# Altium PCB communicationboard.PcbDoc
Units mm, origin at the board's own origin, x right, y up, seen from the top; angles counter-clockwise.
Board outline 60 x 60 mm, 4 copper layers (Top Layer, GND, VDD, Bottom Layer), stack 1.57 mm thick; 77 components, 55 nets, 327 pads, 220 vias.
Unrouted connection lines stored in the file: 24.
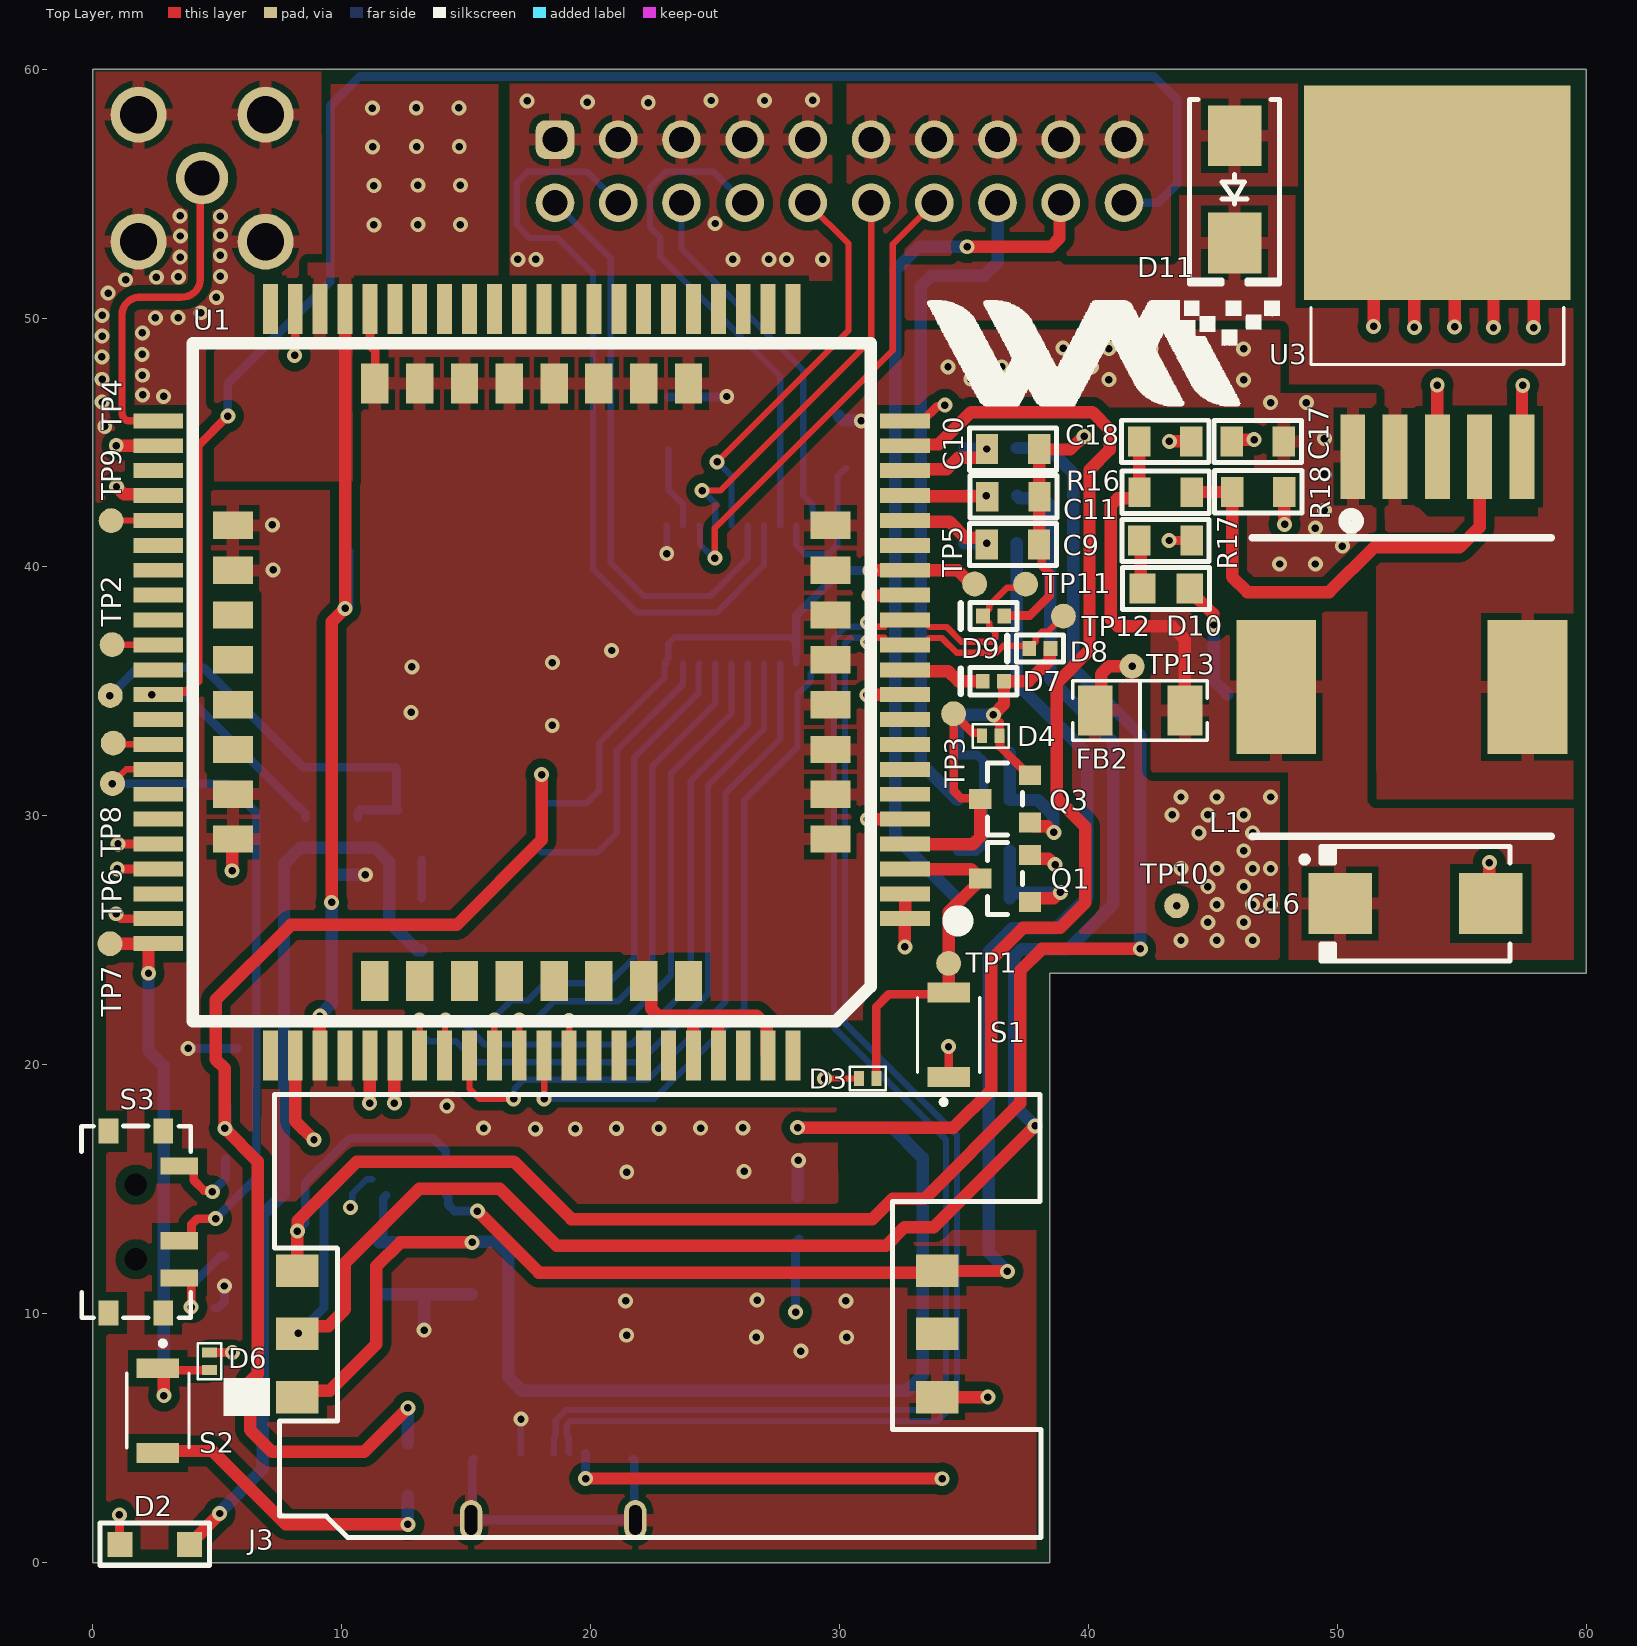
[diagram p0: Top Layer view]
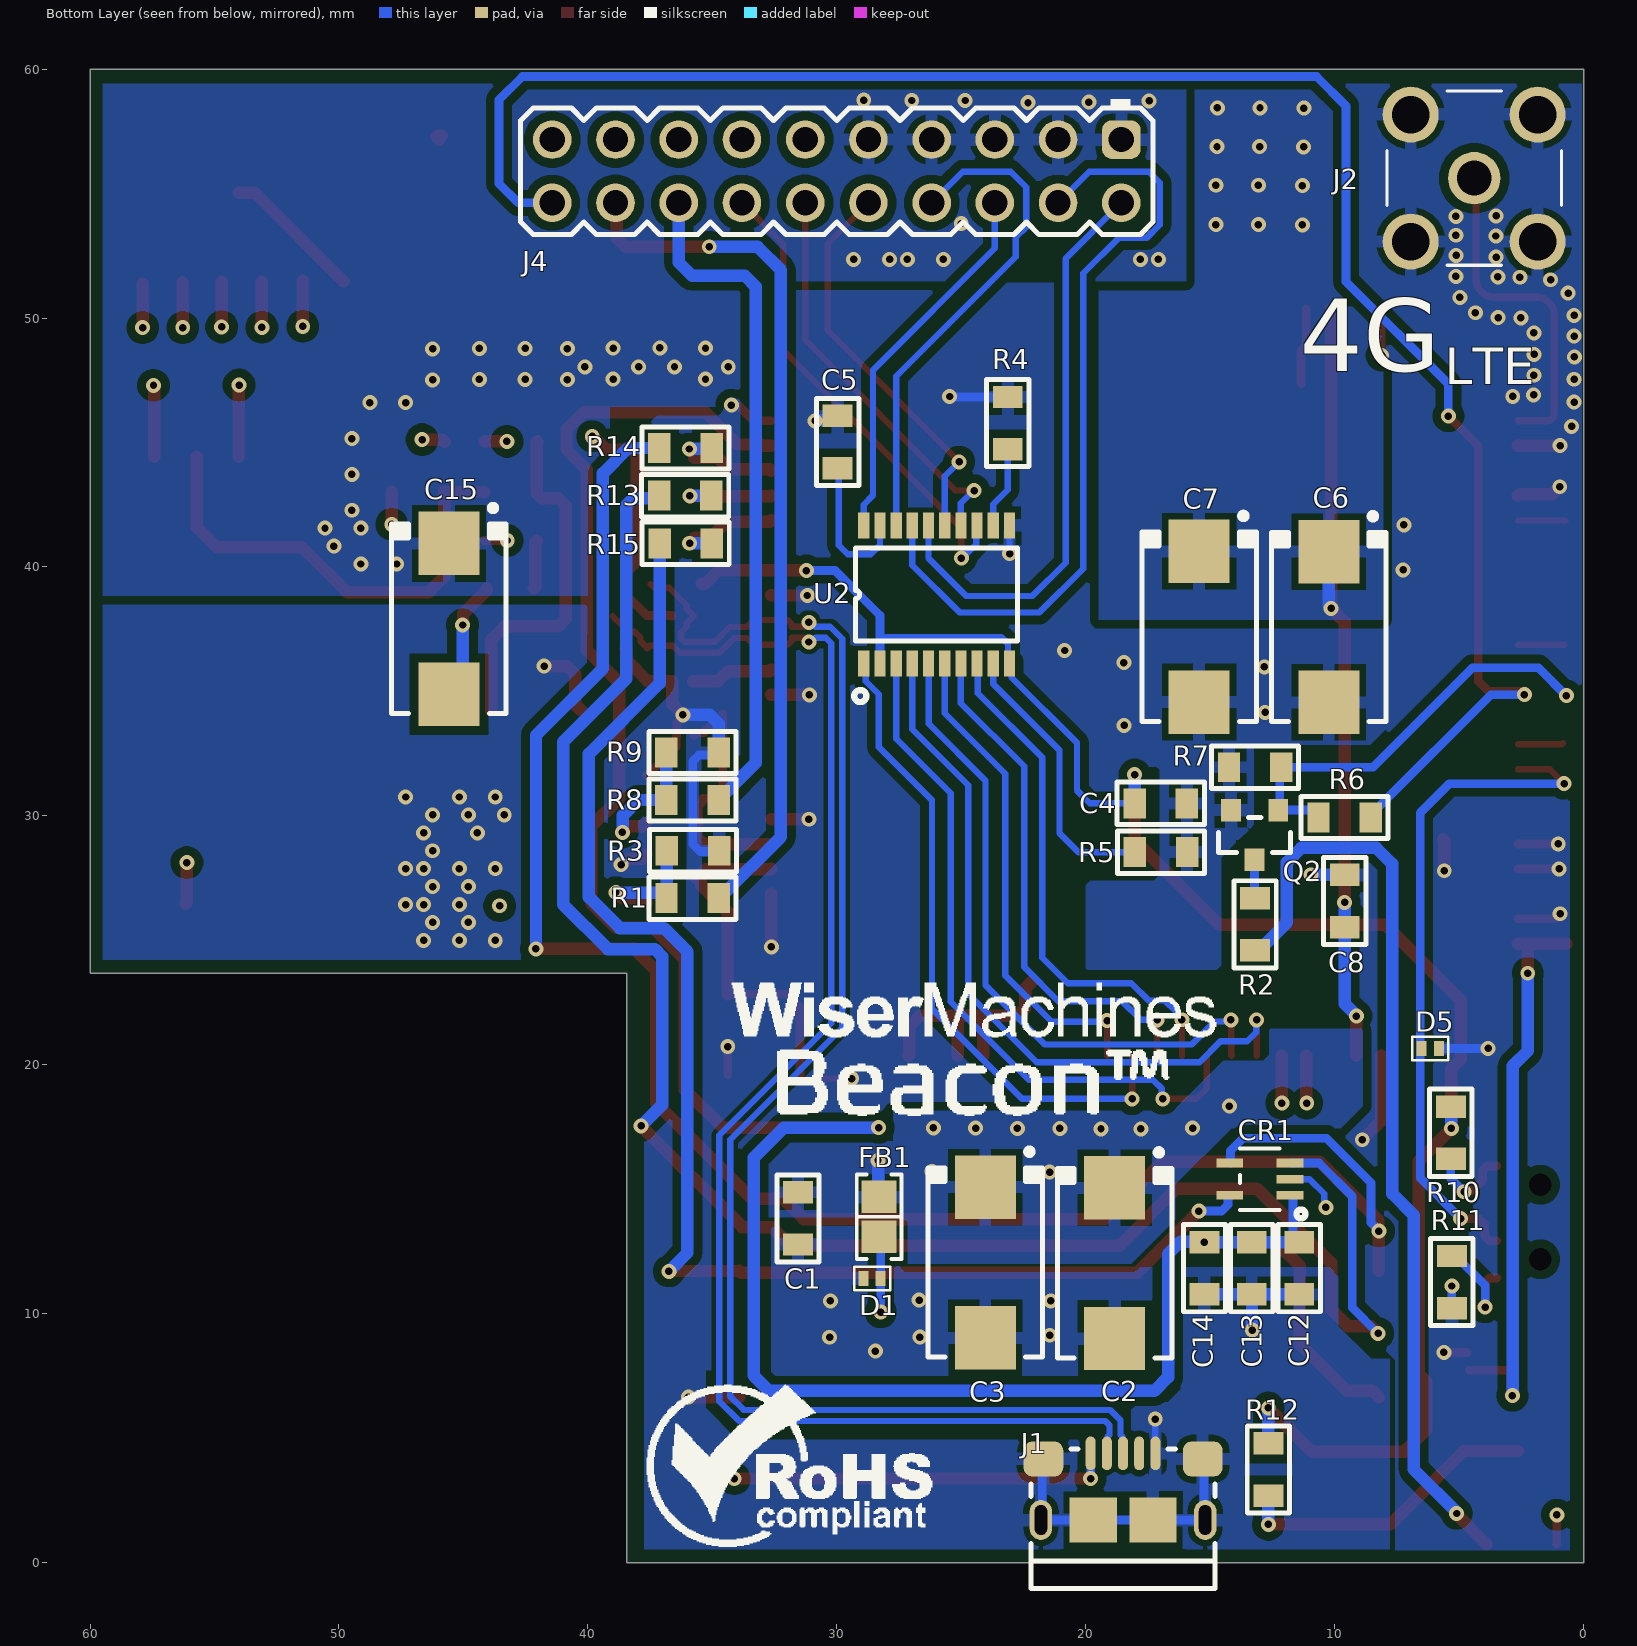
[diagram p1: Bottom Layer view, seen from below]
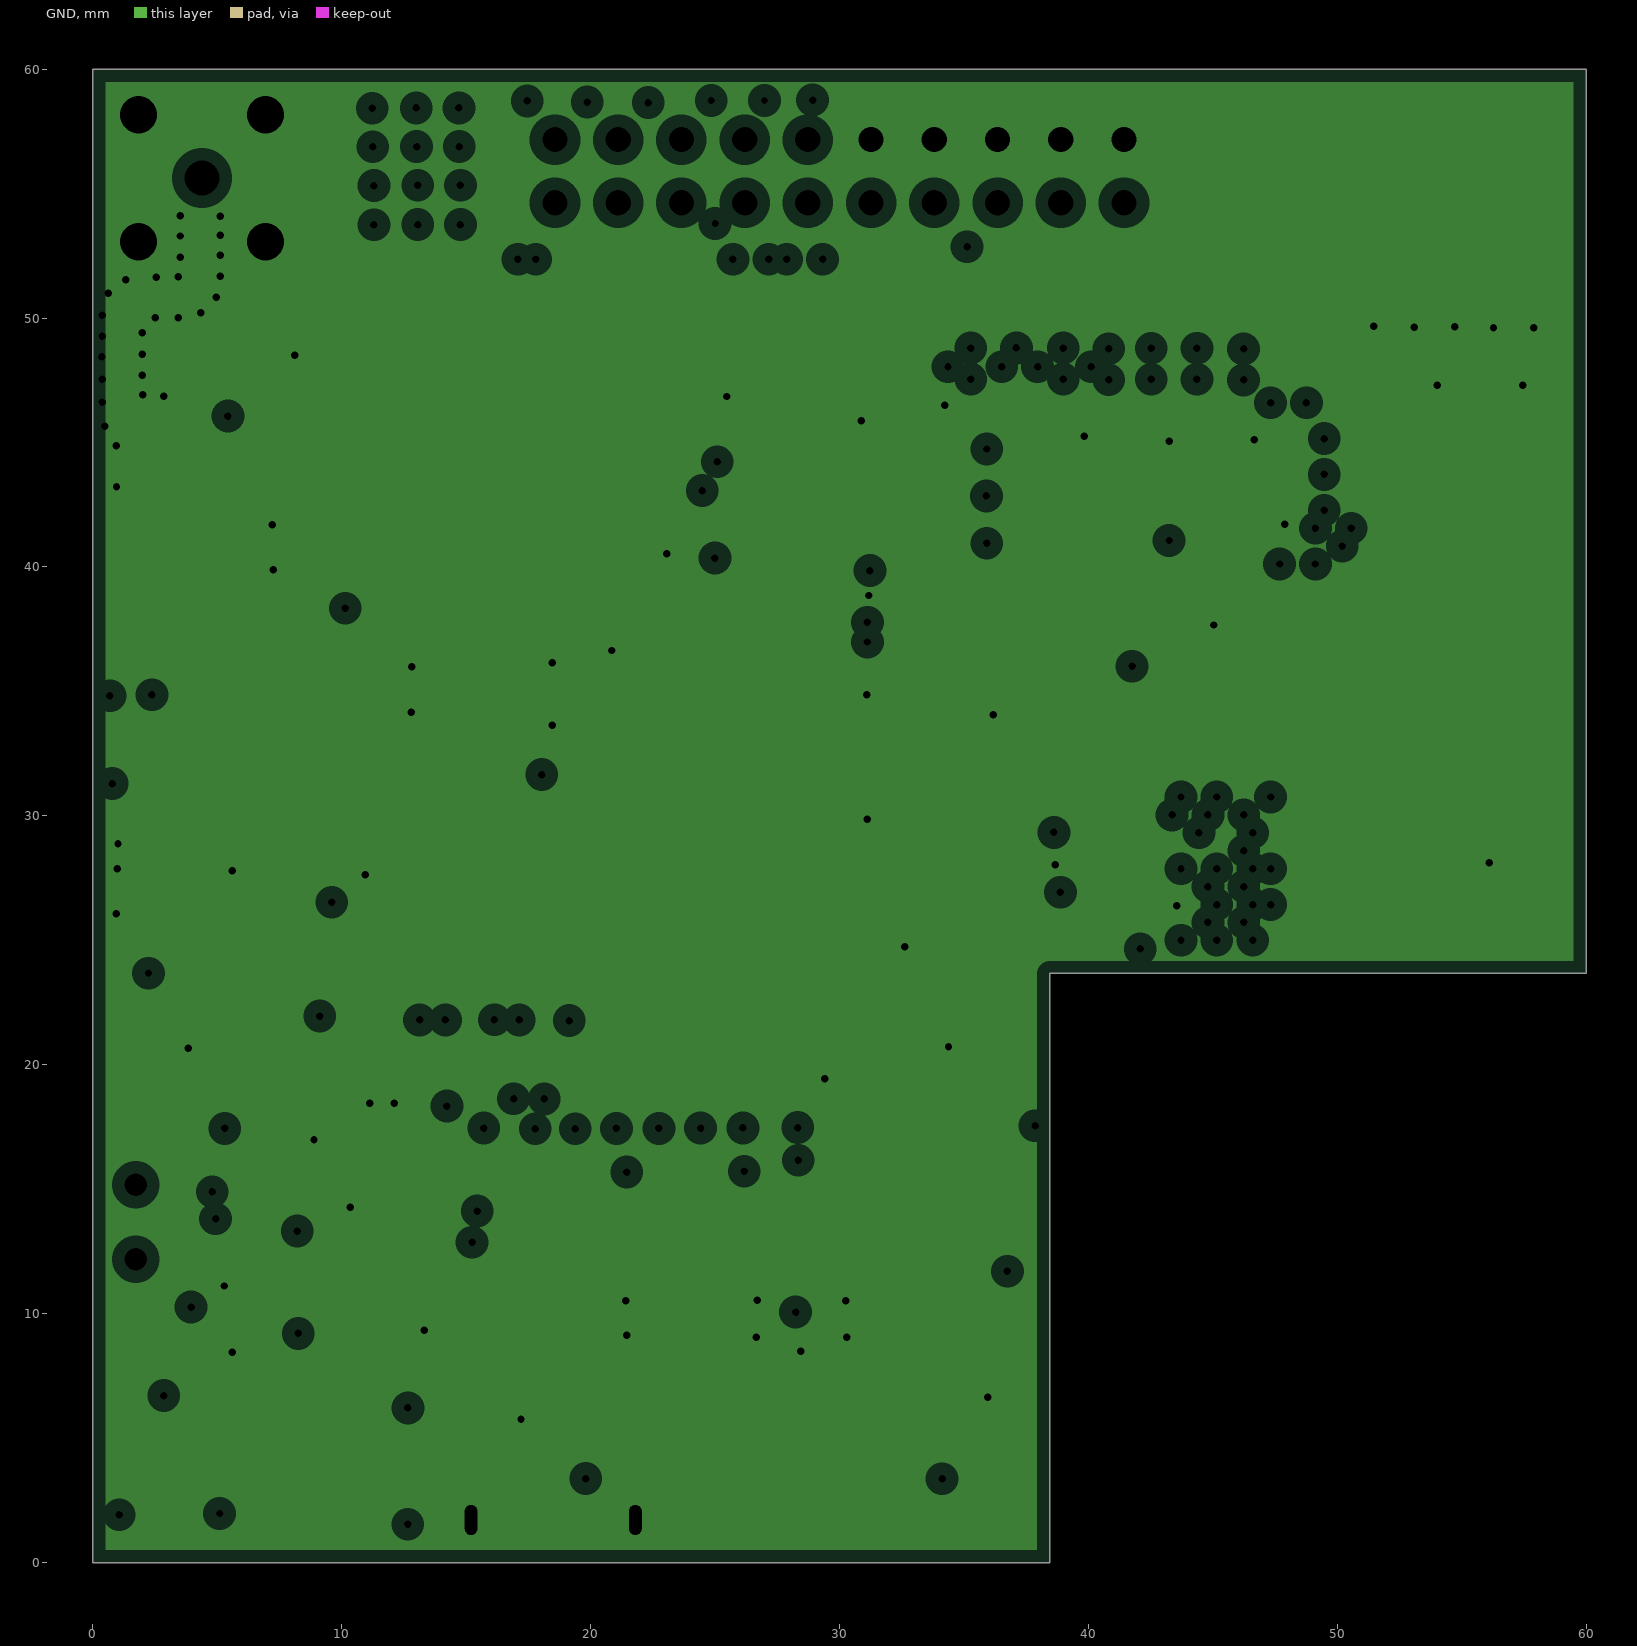
[diagram p2: GND, clearances drawn from the general rule]
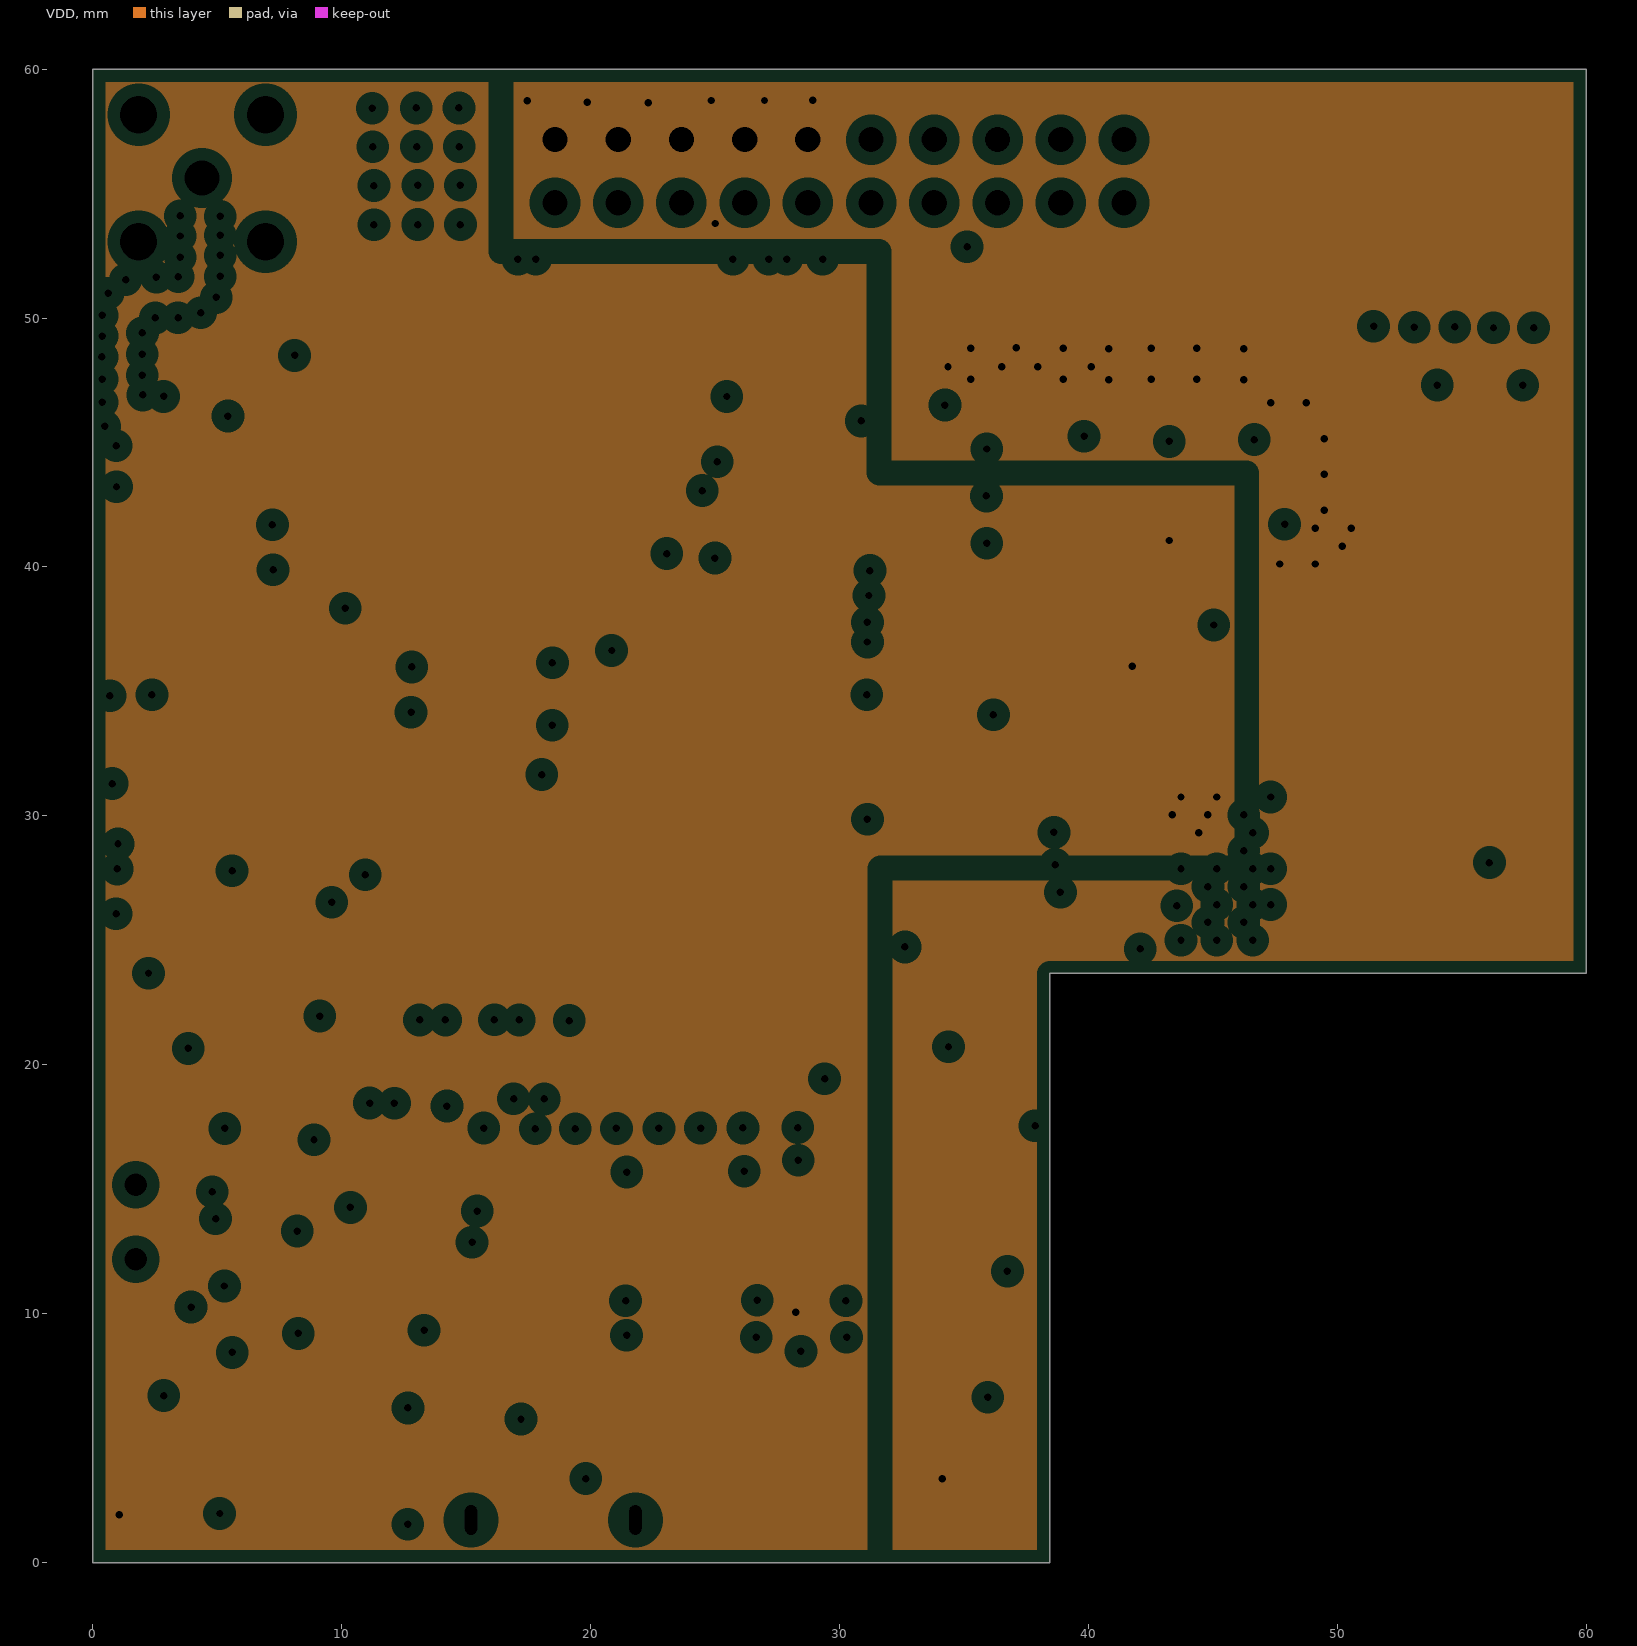
[diagram p3: VDD, clearances drawn from the general rule]
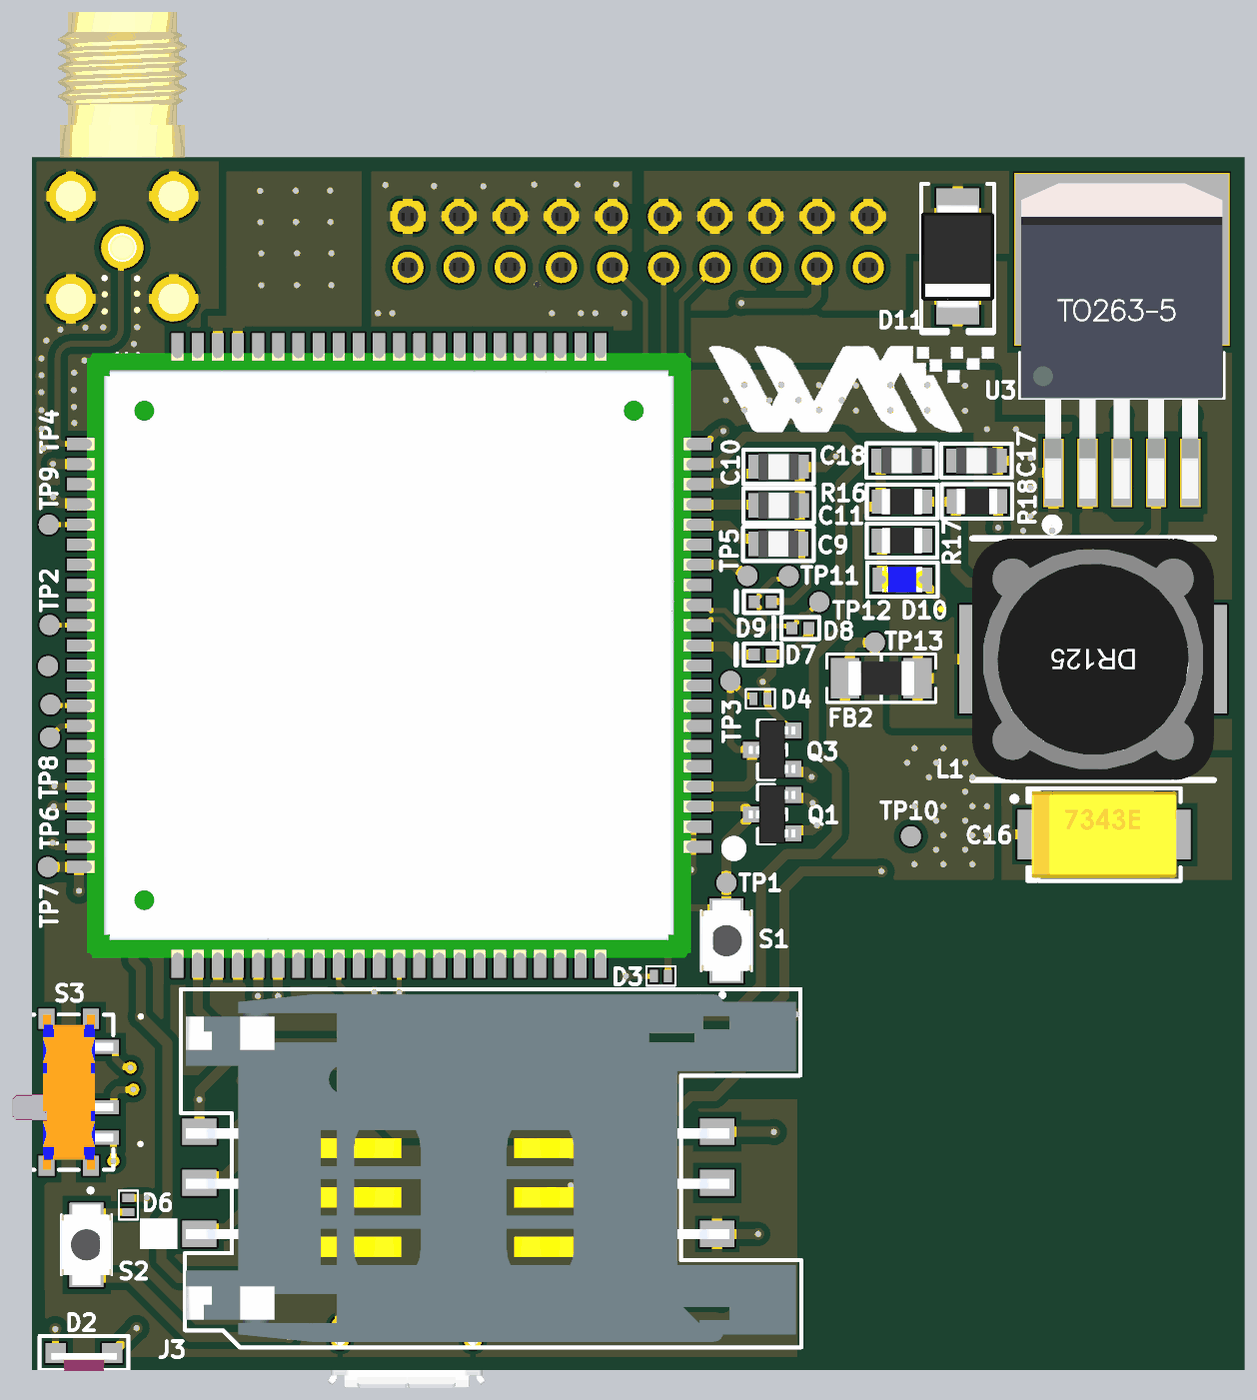
[diagram p4: 3D render of the assembled board from above, using the file's embedded part models]
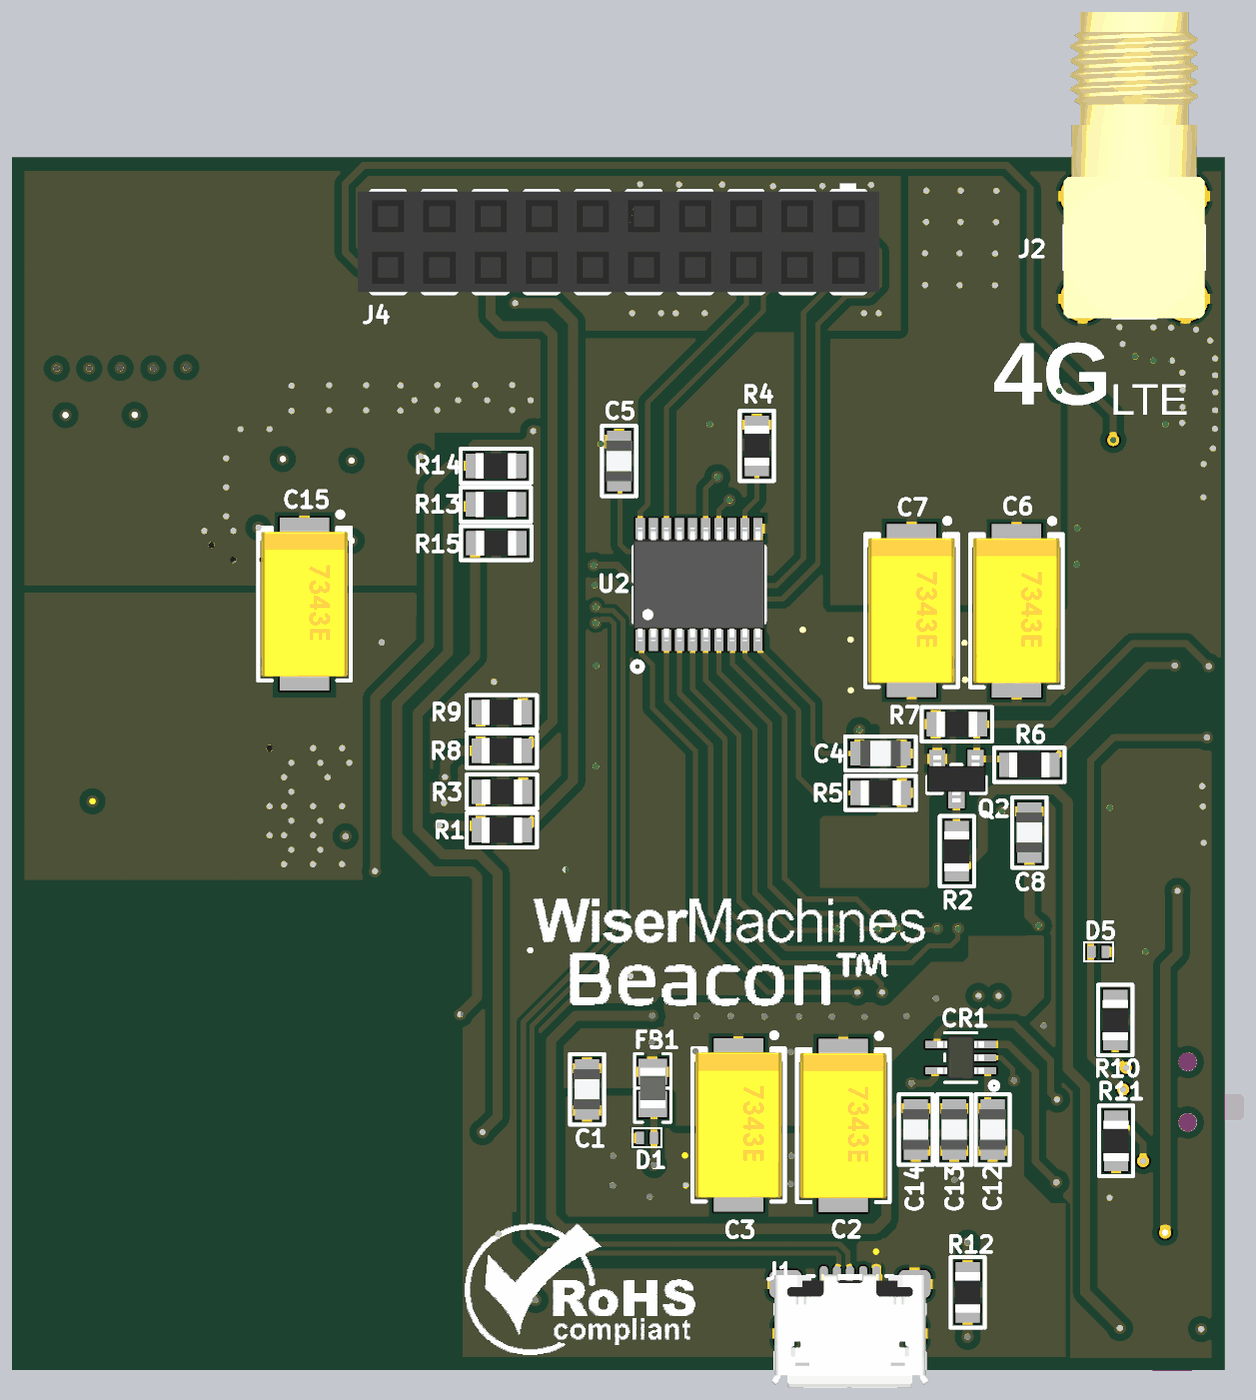
[diagram p5: 3D render of the assembled board from below, using the file's embedded part models]

## Layer stack, top to bottom
Top Solder: solder mask 0.0127, SM-001, Dk 3.8
Top Layer: signal copper 0.035
Prepreg-7628Dielectric-1: prepreg 0.2, PP-015, Dk 4.6
GND: plane copper 0.0175, net GND
Core-Dielectric: core 1.065, Core-039, Dk 4.8
VDD: plane copper 0.0175, net (Multiple Nets)
Prepreg-7628Dielectric-2: prepreg 0.2, PP-015, Dk 4.6
Bottom Layer: signal copper 0.035
Bottom Solder: solder mask 0.0127, SM-001, Dk 3.8

## Board outline
0,0 0,46.175 0,60 60,60 60,23.67 38.445,23.67 38.445,0.005 11.325,0.005 11.3,0

## Design rules (kind name [scope] priority, off if disabled: settings)
Clearance USB_Diff_Pair_Clearance [(InDifferentialPairClass('All Differential Pairs'))] p1: gap=0.19 ignorepadtopadclearanceinfootprint=FALSE
Clearance Clearance_SmallFootprint [(HasFootprint('pesdhC2FD4V5BH') OR HasFootprint('FER 0805_2012') OR HasFootprint('SOT323-5L_STM-M') OR HasFootprint('ESD73011N'))] p2: gap=0.3 ignorepadtopadclearanceinfootprint=FALSE
Clearance "FCI USB 10118193-0001LF" [(HasFootprint('FCI USB 10118193-0001LF'))] p3: gap=0.25 ignorepadtopadclearanceinfootprint=FALSE
Clearance TXS0108RGYR [HasFootprint('TSSOP20')] p4: gap=0.2 ignorepadtopadclearanceinfootprint=FALSE
Clearance [All] p5: gap=0.35 ignorepadtopadclearanceinfootprint=FALSE
DiffPairsRouting [InDifferentialPair('USBD')] p1: maxlimit=0.191 minlimit=0.191 mostfreqgap=0.191 toplayer_minwidth=0.254 toplayer_maxwidth=0.254 toplayer_prefwidth=0.254 bottomlayer_minwidth=0.254 bottomlayer_maxwidth=0.254 bottomlayer_prefwidth=0.254 impedanceprofiledriven=TRUE impedanceprofileid={3FF59F67-B649-46D1-9A61-701C2D706C0E} impedanceprofilevalue=90.000000 maxuncoupledlength=12.7
MinimumSolderMaskSliver [All] p1: minsoldermaskwidth=0
PlaneClearance [All] p1: clearance=0.508
PlaneConnect [All] p1: pad.planeconnectstyle=Relief pad.reliefexpansion=0.508 pad.reliefentries=4 pad.reliefconductorwidth=0.254 pad.reliefairgap=0.254 via.planeconnectstyle=Direct via.reliefexpansion=0.508 via.reliefentries=4 via.reliefconductorwidth=0.254 via.reliefairgap=0.254
PolygonConnect [All] p1: thpad.connectstyle=Relief thpad.reliefconductorwidth=0.5 thpad.reliefentries=4 thpad.polygonreliefangle="90 Angle" thpad.airgapwidth=0.254 smdpad.connectstyle=Relief smdpad.reliefconductorwidth=0.5 smdpad.reliefentries=4 smdpad.polygonreliefangle="90 Angle" smdpad.airgapwidth=0.254 via.connectstyle=Direct via.reliefconductorwidth=0.5 via.reliefentries=4 via.polygonreliefangle="90 Angle" via.airgapwidth=0.254
RoutingVias [All] p1: holewidth=0.3 width=0.6 viastyle="Through Hole" minholewidth=0.3 minwidth=0.6 maxholewidth=0.3 maxwidth=0.6
SilkToSilkClearance [All] p1: silktosilkclearance=0
SilkToSolderMaskClearance [IsPad] p1: minsilkscreentomaskgap=0 clearancetoexposedcopper=TRUE
SolderMaskExpansion [All] p1: expansion=0.102 istentingtop=FALSE
Width Antenna50 [InNet('MAIN_ANT')] p1: maxlimit=0.293 minlimit=0.293 preferedwidth=0.293 impedanceprofiledriven=TRUE impedanceprofileid={5D4E03F7-869B-4098-93CC-8A1440A47B34} impedanceprofilevalue=50.000000 minimp=50.000000 maximp=50.000000 favimp=50.000000
Width [All] p2: maxlimit=0.5 minlimit=0.254 preferedwidth=0.35
24 further rules are at their usual default settings.

## Classes and differential pairs
differential pair USBD: +USBD_P -USBD_N

## Components (designator, comment, footprint, x,y, rotation, side; value= is the part's Value field where it differs from the comment)
C1 "1uF" C0805 31.56,13.83 r90 bottom
C2 "100µF" "CAP POL 2917_7343" 18.835,12.03 r270 bottom
C3 "100µF" "CAP POL 2917_7343" 24.035,12.06 r270 bottom
C4 "100nF" C0805 16.985,30.505 r0 bottom
C5 "100nF" C0805 29.965,45.02 r270 bottom
C6 "100µF" "CAP POL 2917_7343" 10.235,37.59 r270 bottom
C7 "100µF" "CAP POL 2917_7343" 15.44,37.6 r270 bottom
C8 "100nF" C0805 9.595,26.58 r270 bottom
C9 "22pF" C0805 36.965,40.905 r180 top
C10 "22pF" C0805 36.975,44.735 r0 top
C11 "22pF" C0805 36.985,42.82 r180 top
C12 "2.2uF" C0805 11.42,11.83 r90 bottom
C13 "33pF" C0805 13.33,11.83 r90 bottom
C14 "100nF" C0805 15.23,11.83 r90 bottom
C15 "100µF" "CAP POL 2917_7343" 45.585,37.92 r270 bottom
C16 "330µF" "CAP POL 2917_7343" 53.135,26.475 r0 top
C17 "1uF" C0805 46.805,45.04 r0 top
C18 "100nF" C0805 43.085,45.045 r180 top
CR1 "ESDA6V1W5" SOT323-5L_STM-M 13.002,15.405 r0 bottom
D1 "PESDHC2FD4V5BH" PESDHC2FD4V5BH 28.585,11.415 r180 bottom
D2 "RLED-RA" 12-21SURC/S530-A3/TR8 2.489,0.737 r0 top
D3 "PESDHC2FD4V5BH" PESDHC2FD4V5BH 31.13,19.45 r0 top
D4 "PESDHC2FD4V5BH" PESDHC2FD4V5BH 36.075,33.22 r180 top
D5 "PESDHC2FD4V5BH" PESDHC2FD4V5BH 6.155,20.65 r0 bottom
D6 "PESDHC2FD4V5BH" PESDHC2FD4V5BH 4.685,8.09 r270 top
D7 "ESD73011N" ESD73011N 35.76,35.41 r0 top
D8 "ESD73011N" ESD73011N 37.625,36.725 r0 top
D9 "ESD73011N" ESD73011N 35.765,38.03 r0 top
D10 "BLED" ORH-B35A 43.12,39.135 r0 top
D11 "MBRS360BT3G" "DO214AA SMB" 45.87,55.175 r270 top
FB1 "30 Ohms @ 100MHz" "FER 0805_2012" 28.3,13.895 r270 bottom
FB2 "BLM31KN271BH1L" "FER 1206_3216" 42.075,34.235 r180 top
J1 "10118193-0001LF" "FCI USB 10118193-0001LF" 18.5,1.765 r0 bottom
J2 "CONSMA002-G" LINX_CONSMA002-G 4.392,55.621 r0 bottom
J3 "C707_10M006_512_2A" C70710M0065122A 21.06,9.19 r0 top
J4 "PEC10DAAN" "Female Header 10x2" 30,55.9 r270 bottom
L1 "100uH/2.1A" CDRH127/LDNP-101MC 52.59,35.18 r180 top value=100µH
Q1 "MMBT3904LT3G" "ON SEMI SOT-23-3" 36.655,27.485 r180 top
Q2 "MMBT3904LT3G" "ON SEMI SOT-23-3" 13.215,29.235 r270 bottom
Q3 "MMBT3904LT3G" "ON SEMI SOT-23-3" 36.655,30.685 r180 top
R1 "4.7K" R0805 36.84,26.695 r180 bottom
R2 "180ohm" R0805 13.195,24.595 r90 bottom
R3 "47Kohm" R0805 36.83,28.6 r180 bottom
R4 "47Kohm" R0805 23.13,46.83 r270 bottom
R5 "47Kohm" R0805 15.925,28.545 r0 bottom
R6 "4.7K" R0805 10.647,29.937 r180 bottom
R7 "47Kohm" R0805 12.145,31.955 r0 bottom
R8 "4.7K" R0805 36.845,30.64 r180 bottom
R9 "47Kohm" R0805 36.845,32.545 r180 bottom
R10 "10K" R0805 5.33,16.22 r90 bottom
R11 "10K" R0805 5.29,10.22 r90 bottom
R12 "10K" R0805 12.66,2.695 r90 bottom
R13 "22ohm" R0805 35.04,42.865 r0 bottom
R14 "22ohm" R0805 35.03,44.78 r0 bottom
R15 "22ohm" R0805 35.02,40.95 r0 bottom
R16 "2.2K" R0805 44.155,43.005 r180 top
R17 "62ohm" R0805 42.05,41.065 r0 top
R18 "1K" R0805 47.875,43.02 r180 top
S1 "B3U-1000P" SW_B3U-1000P 34.385,21.205 r90 top
S2 "B3U-1000P" SW_B3U-1000P 2.615,6.11 r270 top
S3 "SSSS811101" SSSS811101 1.732,13.685 r270 top
TP1 "TestPoint" TESTPOINT 34.385,24.075 r90 top
TP2 "TestPoint" TESTPOINT 0.705,34.84 r90 top
TP3 "TestPoint" TESTPOINT 34.585,34.105 r90 top
TP4 "TestPoint" TESTPOINT 0.74,41.86 r90 top
TP5 "TestPoint" TESTPOINT 35.43,39.32 r90 top
TP6 "TestPoint" TESTPOINT 0.795,31.305 r90 top
TP7 "TestPoint" TESTPOINT 0.695,24.865 r90 top
TP8 "TestPoint" TESTPOINT 0.825,32.925 r90 top
TP9 "TestPoint" TESTPOINT 0.78,36.88 r90 top
TP10 "TestPoint" TESTPOINT 43.545,26.39 r90 top
TP11 "TestPoint" TESTPOINT 37.48,39.31 r90 top
TP12 "TestPoint" TESTPOINT 38.995,38.025 r90 top
TP13 "TestPoint" TESTPOINT 41.755,36.015 r90 top
U1 "A7600E" A7600E 17.635,35.37 r180 top
U2 "TXS0108EPW" TSSOP20 25.99,38.895 r90 bottom
U3 "LM2596SX-ADJ/NOPB" VREG_LM2596S-ADJ/NOPB 50.62,44.435 r90 top
